# Altium PCB Main_PCB.PcbDoc (part 2 of 13) (continued)
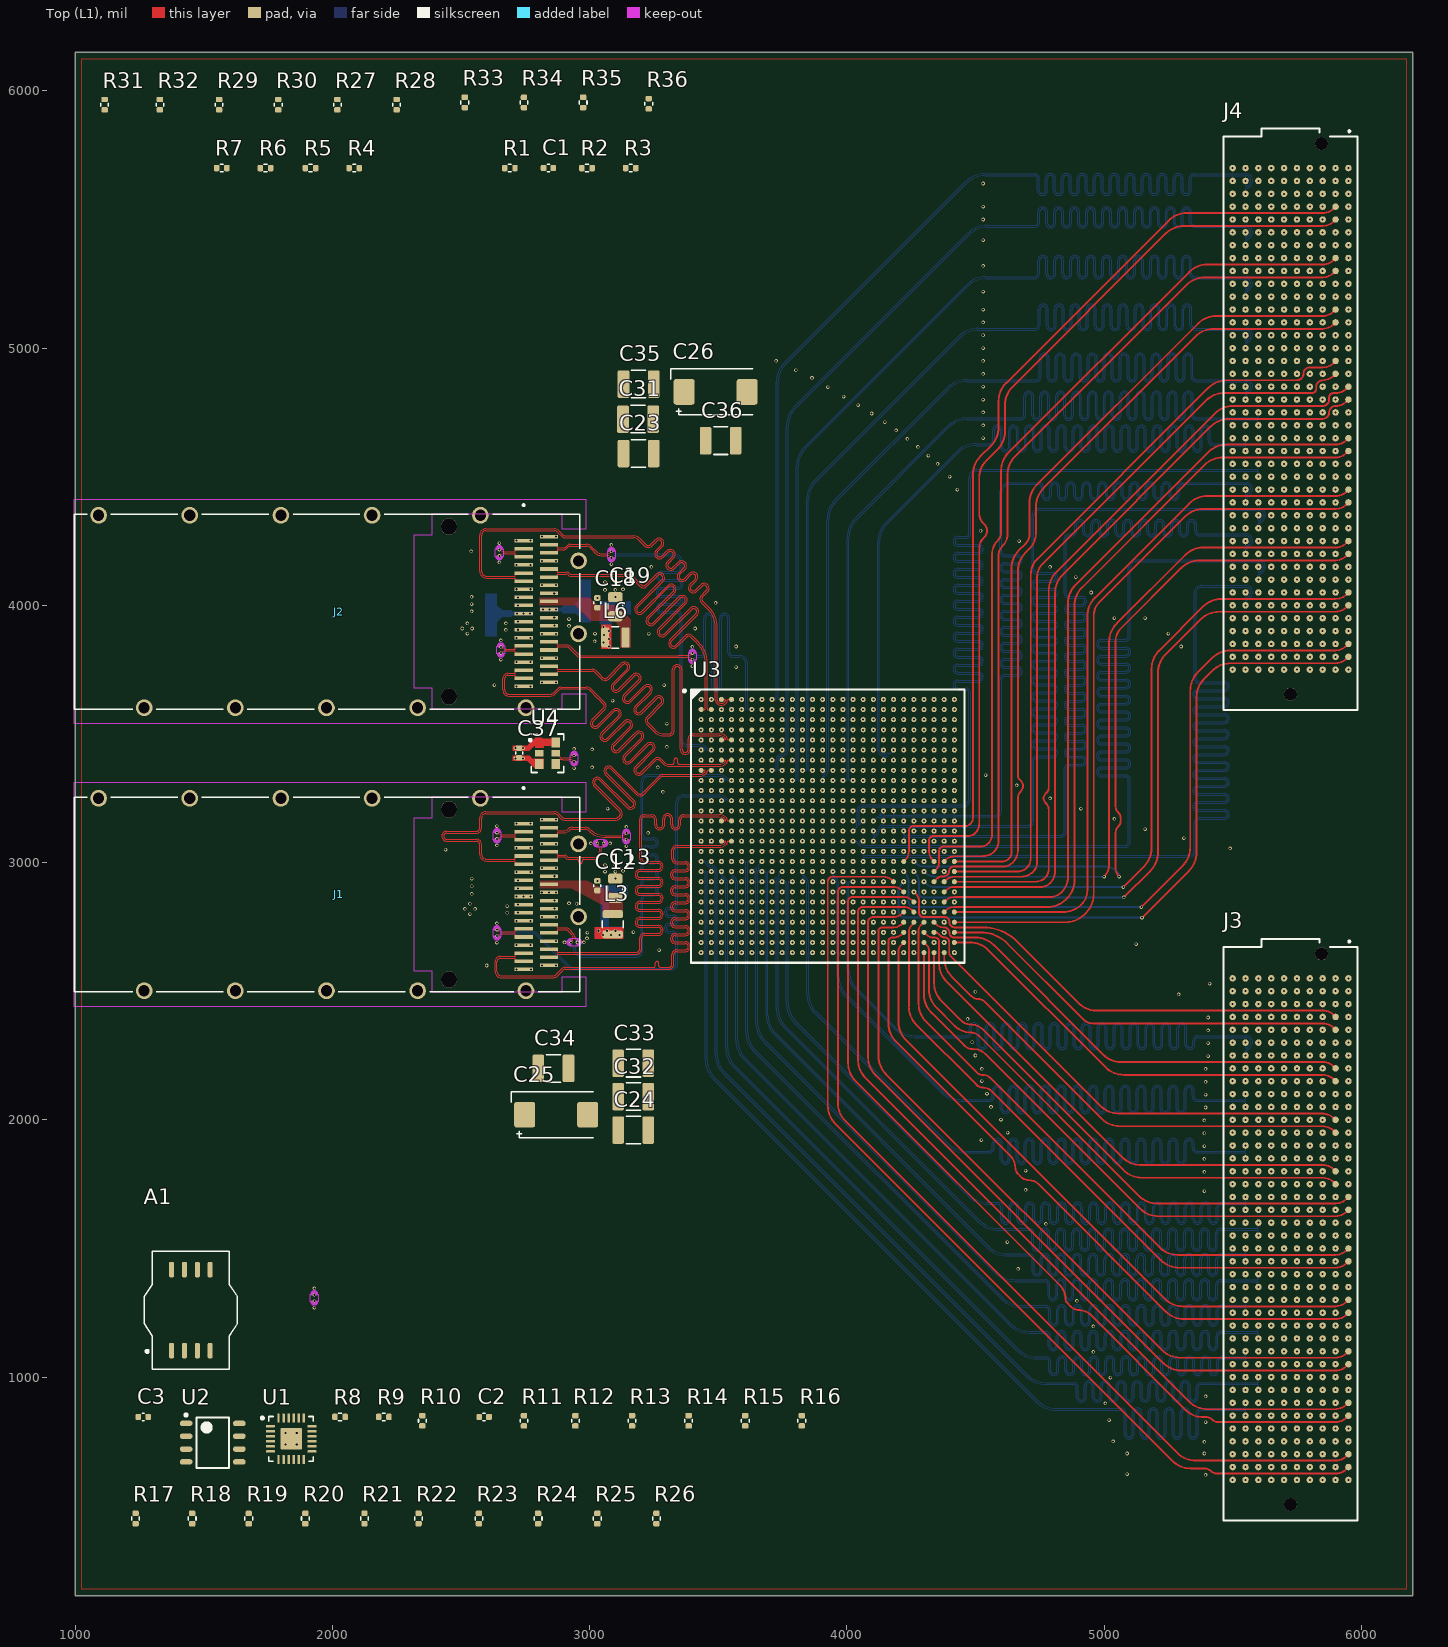
[diagram p0: Top (L1) view]
## Nets (pads, with @x,y where several pads share a name; then routed paths per layer and width w, separated by ;. In a path a pad name is that pad's centre, name@x,y a point inside that pad or via, vN(x,y) a via of type N, cw(c..) or ccw(c..) an arc to the next point about the centre after c; other vN are vias at no path point) (continued)
  other v2: 1818.35,738.35 1861.65,738.35 1818.35,781.65 1861.65,781.65
GTX_REFCLK_N: U3.H5 U4.5 | length 798.8
  Top (L1) w3.5: U4.5@2867.99,3425 cw(c2867.99,3417.67) U4.5@2873.17,3422.86 ; U4.5@2873.18,3422.85 2879.4,3416.63 2882.97,3414.94 2884.26,3410.61 ccw(c2887.61,3411.61) 2887.61,3408.11 2904.31,3408.11 2904.47,3408.28 2918.94,3408.28 ccw(c2918.94,3438.06) v1(2940,3417)
  Int9 (L10) w3.5: v1(2940,3417) ccw(c2959.56,3436.56) 2959.56,3408.9 3262.91,3408.9 cw(c3262.91,3352.91) 3302.5,3392.5 3350,3345 ccw(c3355.72,3350.72) 3355.72,3342.63 3581.97,3342.63 ccw(c3581.97,3376.96) 3606.25,3352.69 ccw(c3603.77,3355.16) 3607.27,3355.16 ccw(c3603.77,3355.16) 3606.25,3357.64 ccw(c3603.77,3355.16) 3603.77,3358.66 v1(3591.34,3358.66)
GTX_REFCLK_P: U3.H6 U4.4 | length 809.7
  Top (L1) w3.5: U4.4@2867.99,3383.66 cw(c2872.61,3383.66) U4.4@2869.34,3386.92 ; U4.4@2869.34,3386.93 2874.33,3391.91 cw(c2895.2,3371.03) 2895.2,3400.56 2907.43,3400.56 2907.6,3400.72 2918.94,3400.72 cw(c2918.94,3370.94) v1(2940,3392)
  Int9 (L10) w3.5: v1(2940,3392) cw(c2959.56,3372.44) 2959.56,3400.1 3262.91,3400.1 cw(c3262.91,3352.91) 3296.28,3386.28 3343.78,3338.78 ccw(c3355.72,3350.72) 3355.72,3333.83 3413.67,3333.83 ccw(c3413.67,3338.27) 3416.8,3335.13 3582,3335.13 ccw(c3582,3376.89) 3611.53,3347.36 3611.58,3347.41 ccw(c3603.87,3355.12) 3614.77,3355.12 ; 3614.77,3355.16 cw(c3618.27,3355.16) 3615.8,3357.64 cw(c3618.27,3355.16) 3618.27,3358.66 v1(3630.71,3358.66)
HPCC_A_01_N: J3.B21 U3.AE11 | length 3698.9
  Int2 (L3) w3.5: v1(3827.56,2689.37) 3827.56,2701.81 cw(c3831.06,2701.81) 3828.58,2704.28 cw(c3831.06,2701.81) 3831.06,2705.31 cw(c3831.06,2701.81) 3833.53,2704.28 cw(c3808.27,2679.01) 3844,2679.01 3844,2653.7 cw(c3840.5,2653.7) 3843.97,2653.22 ccw(c3866.93,2650) 3843.75,2649.38 3844,2640 3844,2636.26 3844,2488.62 ccw(c3952.8,2488.62) 3875.86,2411.69 4685.09,1602.47 ccw(c4762.02,1679.4) 4762.02,1570.6 4824,1570.6 4862.45,1570.6 cw(c4862.45,1558.85) 4874.2,1558.85 4874.2,1515.7 ccw(c4894.75,1515.7) 4915.3,1515.7 4915.3,1558.99 cw(c4927.05,1558.99) 4938.8,1558.99 4938.8,1515.7 ccw(c4959.35,1515.7) 4979.9,1515.7 4979.9,1558.99 cw(c4991.65,1558.99) 5003.4,1558.99 5003.4,1515.7 ccw(c5023.95,1515.7) 5044.5,1515.7 5044.5,1558.99 cw(c5056.25,1558.99) 5068,1558.99 5068,1515.7 ccw(c5088.55,1515.7) 5109.1,1515.7 5109.1,1558.99 cw(c5120.85,1558.99) 5132.6,1558.99 5132.6,1515.7 ccw(c5153.15,1515.7) 5173.7,1515.7 5173.7,1558.99 cw(c5185.45,1558.99) 5197.2,1558.99 5197.2,1515.7 ccw(c5217.75,1515.7) 5238.3,1515.7 5238.3,1558.99 cw(c5250.05,1558.99) 5261.8,1558.99 5261.8,1515.7 ccw(c5282.35,1515.7) 5302.9,1515.7 5302.9,1558.99 cw(c5314.65,1558.99) 5326.4,1558.99 5326.4,1515.7 ccw(c5346.95,1515.7) 5367.5,1515.7 5367.5,1558.85 cw(c5379.25,1558.85) 5379.25,1570.6 5425,1570.6 5896.5,1570.6 cw(c5896.5,1567.1) 5898.97,1569.57 cw(c5896.5,1567.1) 5900,1567.1 v1(5900,1550)
HPCC_A_01_P: J3.B20 U3.AD11 | length 3697.2
  Int2 (L3) w3.5: v1(3827.56,2728.74) 3827.56,2716.31 ccw(c3831.06,2716.31) 3828.58,2713.83 ccw(c3831.06,2716.31) 3831.06,2712.81 3831.11,2712.81 cw(c3831.11,2701.93) 3838.8,2709.62 3838.92,2709.5 cw(c3808.53,2679.12) 3851.5,2679.12 3851.5,2679.01 3851.5,2653.7 cw(c3840.5,2653.7) 3851.39,2652.18 ccw(c3866.93,2650) 3851.25,2649.58 3851.5,2640.23 ; 3851.5,2640.2 3851.5,2640.06 cw(c3848,2640) 3851.5,2640 3851.5,2636.26 cw(c3844,2636.26) 3851.5,2636.09 3851.5,2625 cw(c3848.36,2621.86) 3852.8,2621.86 3852.8,2488.62 ccw(c3952.8,2488.62) 3882.09,2417.91 4691.31,1608.69 ccw(c4762.02,1679.4) 4762.02,1579.4 4824,1579.4 4862.45,1579.4 cw(c4862.45,1558.85) 4883,1558.85 4883,1515.7 ccw(c4894.75,1515.7) 4906.5,1515.7 4906.5,1558.99 cw(c4927.05,1558.99) 4947.6,1558.99 4947.6,1515.7 ccw(c4959.35,1515.7) 4971.1,1515.7 4971.1,1558.99 cw(c4991.65,1558.99) 5012.2,1558.99 5012.2,1515.7 ccw(c5023.95,1515.7) 5035.7,1515.7 5035.7,1558.99 cw(c5056.25,1558.99) 5076.8,1558.99 5076.8,1515.7 ccw(c5088.55,1515.7) 5100.3,1515.7 5100.3,1558.99 cw(c5120.85,1558.99) 5141.4,1558.99 5141.4,1515.7 ccw(c5153.15,1515.7) 5164.9,1515.7 5164.9,1558.99 cw(c5185.45,1558.99) 5206,1558.99 5206,1515.7 ccw(c5217.75,1515.7) 5229.5,1515.7 5229.5,1558.99 cw(c5250.05,1558.99) 5270.6,1558.99 5270.6,1515.7 ccw(c5282.35,1515.7) 5294.1,1515.7 5294.1,1558.99 cw(c5314.65,1558.99) 5335.2,1558.99 5335.2,1515.7 ccw(c5346.95,1515.7) 5358.7,1515.7 5358.7,1558.85 cw(c5379.25,1558.85) 5379.25,1579.4 5425,1579.4 5896.5,1579.4 ccw(c5896.5,1582.9) 5898.97,1580.43 ccw(c5896.5,1582.9) 5900,1582.9 v1(5900,1600)
HPCC_A_02_N: J3.B25 U3.AF9 | length 3696.1
  Int2 (L3) w3.5: v1(3748.82,2650) 3761.25,2650 cw(c3761.25,2646.5) 3763.73,2648.97 cw(c3761.25,2646.5) 3764.75,2646.5 3764.75,2452.87 ccw(c3873.55,2452.87) 3796.62,2375.93 4770.09,1402.47 ccw(c4847.02,1479.4) 4847.02,1370.6 4889,1370.6 4927.45,1370.6 cw(c4927.45,1358.85) 4939.2,1358.85 4939.2,1316.4 ccw(c4959.75,1316.4) 4980.3,1316.4 4980.3,1359.89 cw(c4992.05,1359.89) 5003.8,1359.89 5003.8,1316.4 ccw(c5024.35,1316.4) 5044.9,1316.4 5044.9,1359.89 cw(c5056.65,1359.89) 5068.4,1359.89 5068.4,1316.4 ccw(c5088.95,1316.4) 5109.5,1316.4 5109.5,1359.89 cw(c5121.25,1359.89) 5133,1359.89 5133,1316.4 ccw(c5153.55,1316.4) 5174.1,1316.4 5174.1,1359.89 cw(c5185.85,1359.89) 5197.6,1359.89 5197.6,1316.4 ccw(c5218.15,1316.4) 5238.7,1316.4 5238.7,1359.89 cw(c5250.45,1359.89) 5262.2,1359.89 5262.2,1316.4 ccw(c5282.75,1316.4) 5303.3,1316.4 5303.3,1359.89 cw(c5315.05,1359.89) 5326.8,1359.89 5326.8,1316.4 ccw(c5347.35,1316.4) 5367.9,1316.4 5367.9,1358.85 cw(c5379.65,1358.85) 5379.65,1370.6 5409,1370.6 5896.5,1370.6 cw(c5896.5,1367.1) 5898.97,1369.57 cw(c5896.5,1367.1) 5900,1367.1 v1(5900,1350)
HPCC_A_02_P: J3.B24 U3.AF10 | length 3682.7
  Int2 (L3) w3.5: v1(3788.19,2650) 3775.75,2650 ccw(c3775.75,2646.5) 3773.28,2648.97 ccw(c3775.75,2646.5) 3772.25,2646.5 3772.25,2625 cw(c3769.12,2621.86) 3773.55,2621.86 3773.55,2452.87 ccw(c3873.55,2452.87) 3802.84,2382.16 4776.31,1408.69 ccw(c4847.02,1479.4) 4847.02,1379.4 4889,1379.4 4927.45,1379.4 cw(c4927.45,1358.85) 4948,1358.85 4948,1316.4 ccw(c4959.75,1316.4) 4971.5,1316.4 4971.5,1359.89 cw(c4992.05,1359.89) 5012.6,1359.89 5012.6,1316.4 ccw(c5024.35,1316.4) 5036.1,1316.4 5036.1,1359.89 cw(c5056.65,1359.89) 5077.2,1359.89 5077.2,1316.4 ccw(c5088.95,1316.4) 5100.7,1316.4 5100.7,1359.89 cw(c5121.25,1359.89) 5141.8,1359.89 5141.8,1316.4 ccw(c5153.55,1316.4) 5165.3,1316.4 5165.3,1359.89 cw(c5185.85,1359.89) 5206.4,1359.89 5206.4,1316.4 ccw(c5218.15,1316.4) 5229.9,1316.4 5229.9,1359.89 cw(c5250.45,1359.89) 5271,1359.89 5271,1316.4 ccw(c5282.75,1316.4) 5294.5,1316.4 5294.5,1359.89 cw(c5315.05,1359.89) 5335.6,1359.89 5335.6,1316.4 ccw(c5347.35,1316.4) 5359.1,1316.4 5359.1,1358.85 cw(c5379.65,1358.85) 5379.65,1379.4 5409,1379.4 5896.5,1379.4 ccw(c5896.5,1382.9) 5898.97,1380.43 ccw(c5896.5,1382.9) 5900,1382.9 v1(5900,1400)
HPCC_A_03_N: J3.B29 U3.AF7 | length 3693.2
  Int2 (L3) w3.5: v1(3670.08,2650) 3670.08,2662.43 cw(c3673.58,2662.43) 3671.1,2664.91 cw(c3673.58,2662.44) 3673.58,2665.93 cw(c3673.58,2662.44) 3676.05,2664.91 cw(c3652.04,2640.9) 3686,2640.9 3686,2597.55 ; 3686,2596.35 3686,2406.62 ccw(c3794.8,2406.62) 3717.87,2329.69 4845.09,1202.47 ccw(c4922.02,1279.4) 4922.02,1170.6 4953.16,1170.6 4991.61,1170.6 cw(c4991.61,1158.85) 5003.36,1158.85 5003.36,1126.14 ccw(c5023.91,1126.14) 5044.46,1126.14 5044.46,1162.55 cw(c5056.21,1162.55) 5067.96,1162.55 5067.96,1126.14 ccw(c5088.51,1126.14) 5109.06,1126.14 5109.06,1162.55 cw(c5120.81,1162.55) 5132.56,1162.55 5132.56,1126.14 ccw(c5153.11,1126.14) 5173.66,1126.14 5173.66,1162.55 cw(c5185.41,1162.55) 5197.16,1162.55 5197.16,1126.14 ccw(c5217.71,1126.14) 5238.26,1126.14 5238.26,1162.55 cw(c5250.01,1162.55) 5261.76,1162.55 5261.76,1126.14 ccw(c5282.31,1126.14) 5302.86,1126.14 5302.86,1162.55 cw(c5314.61,1162.55) 5326.36,1162.55 5326.36,1126.14 ccw(c5346.91,1126.14) 5367.46,1126.14 5367.46,1158.85 cw(c5379.21,1158.85) 5379.21,1170.6 5420.34,1170.6 5896.5,1170.6 cw(c5896.5,1167.1) 5898.97,1169.57 cw(c5896.5,1167.1) 5900,1167.1 v1(5900,1150)
HPCC_A_03_P: J3.B28 U3.AE7 | length 3692.8
  Int2 (L3) w3.5: v1(3670.08,2689.37) 3670.08,2676.93 ccw(c3673.58,2676.93) 3671.1,2674.46 ccw(c3673.58,2676.94) 3673.58,2673.43 3673.63,2673.43 cw(c3673.63,2662.56) 3681.32,2670.25 3681.38,2670.19 cw(c3652.13,2640.94) 3693.5,2640.94 3693.5,2625 cw(c3690.36,2621.86) 3694.8,2621.86 3694.8,2406.62 ccw(c3794.8,2406.62) 3724.09,2335.91 4851.31,1208.69 ccw(c4922.02,1279.4) 4922.02,1179.4 4953.16,1179.4 4991.61,1179.4 cw(c4991.61,1158.85) 5012.16,1158.85 5012.16,1126.14 ccw(c5023.91,1126.14) 5035.66,1126.14 5035.66,1162.55 cw(c5056.21,1162.55) 5076.76,1162.55 5076.76,1126.14 ccw(c5088.51,1126.14) 5100.26,1126.14 5100.26,1162.55 cw(c5120.81,1162.55) 5141.36,1162.55 5141.36,1126.14 ccw(c5153.11,1126.14) 5164.86,1126.14 5164.86,1162.55 cw(c5185.41,1162.55) 5205.96,1162.55 5205.96,1126.14 ccw(c5217.71,1126.14) 5229.46,1126.14 5229.46,1162.55 cw(c5250.01,1162.55) 5270.56,1162.55 5270.56,1126.14 ccw(c5282.31,1126.14) 5294.06,1126.14 5294.06,1162.55 cw(c5314.61,1162.55) 5335.16,1162.55 5335.16,1126.14 ccw(c5346.91,1126.14) 5358.66,1126.14 5358.66,1158.85 cw(c5379.21,1158.85) 5379.21,1179.4 5420.34,1179.4 5896.5,1179.4 ccw(c5896.5,1182.9) 5898.97,1180.43 ccw(c5896.5,1182.9) 5900,1182.9 v1(5900,1200)
HPCC_A_04_N: J3.B33 U3.AE5 | length 3702.8
  Int2 (L3) w3.5: v1(3591.34,2689.37) 3603.77,2689.37 cw(c3603.77,2685.87) 3606.25,2688.35 cw(c3603.77,2685.87) 3607.27,2685.87 3607.27,2605.06 ; 3607.32,2605.06 3607.27,2605.01 3607.27,2340.35 ccw(c3716.07,2340.35) 3639.14,2263.41 4900.09,1002.47 ccw(c4977.02,1079.4) 4977.02,970.6 5035.57,970.6 5120.45,970.6 cw(c5120.45,958.85) 5132.2,958.85 5132.2,924.2 ccw(c5152.75,924.2) 5173.3,924.2 5173.3,961.93 cw(c5185.05,961.93) 5196.8,961.93 5196.8,924.2 ccw(c5217.35,924.2) 5237.9,924.2 5237.9,961.93 cw(c5249.65,961.93) 5261.4,961.93 5261.4,924.2 ccw(c5281.95,924.2) 5302.5,924.2 5302.5,961.93 cw(c5314.25,961.93) 5326,961.93 5326,924.2 ccw(c5346.55,924.2) 5367.1,924.2 5367.1,958.85 cw(c5378.85,958.85) 5378.85,970.6 5385,970.6 5896.5,970.6 cw(c5896.5,967.1) 5898.97,969.57 cw(c5896.5,967.1) 5900,967.1 v1(5900,950)
HPCC_A_04_P: J3.B32 U3.AE6 | length 3689.3
  Int2 (L3) w3.5: v1(3630.71,2689.37) 3618.27,2689.37 ccw(c3618.27,2685.87) 3615.8,2688.35 ccw(c3618.27,2685.87) 3614.77,2685.87 3614.77,2625 cw(c3611.64,2621.86) 3616.07,2621.86 3616.07,2340.35 ccw(c3716.07,2340.35) 3645.36,2269.64 4906.31,1008.69 ccw(c4977.02,1079.4) 4977.02,979.4 5035.57,979.4 5120.45,979.4 cw(c5120.45,958.85) 5141,958.85 5141,924.2 ccw(c5152.75,924.2) 5164.5,924.2 5164.5,961.93 cw(c5185.05,961.93) 5205.6,961.93 5205.6,924.2 ccw(c5217.35,924.2) 5229.1,924.2 5229.1,961.93 cw(c5249.65,961.93) 5270.2,961.93 5270.2,924.2 ccw(c5281.95,924.2) 5293.7,924.2 5293.7,961.93 cw(c5314.25,961.93) 5334.8,961.93 5334.8,924.2 ccw(c5346.55,924.2) 5358.3,924.2 5358.3,958.85 cw(c5378.85,958.85) 5378.85,979.4 5385,979.4 5896.5,979.4 ccw(c5896.5,982.9) 5898.97,980.43 ccw(c5896.5,982.9) 5900,982.9 v1(5900,1000)
HPCC_A_05_N: J3.B37 U3.AE2 | length 3700.5
  Int2 (L3) w3.5: v1(3473.23,2689.37) 3485.66,2689.37 cw(c3485.66,2685.87) 3488.14,2688.35 cw(c3485.66,2685.87) 3489.16,2685.87 ccw(c3500.08,2685.84) 3492.36,2678.12 3495.79,2674.69 ccw(c3507.76,2686.66) 3507.76,2669.73 3509.49,2669.73 cw(c3509.49,2656.99) 3518.5,2666 ccw(c3526.26,2673.79) 3518.72,2665.79 3523.44,2661.34 cw(c3512.6,2650) 3528.27,2649.23 ccw(c3532.01,2649.06) 3528.26,2649.14 3528.26,2649.08 3528.26,2279.36 ccw(c3637.06,2279.36) 3560.13,2202.43 4960.09,802.47 ccw(c5037.02,879.4) 5037.02,770.6 5052,770.6 5117.45,770.6 cw(c5117.45,758.85) 5129.2,758.85 5129.2,753.05 ccw(c5149.75,753.05) 5170.3,753.05 5170.3,763.39 cw(c5182.05,763.39) 5193.8,763.39 5193.8,753.05 ccw(c5214.35,753.05) 5234.9,753.05 5234.9,763.39 cw(c5246.65,763.39) 5258.4,763.39 5258.4,753.05 ccw(c5278.95,753.05) 5299.5,753.05 5299.5,763.39 cw(c5311.25,763.39) 5323,763.39 5323,753.05 ccw(c5343.55,753.05) 5364.1,753.05 5364.1,758.85 cw(c5375.85,758.85) 5375.85,770.6 5382,770.6 5896.5,770.6 cw(c5896.5,767.1) 5898.97,769.57 cw(c5896.5,767.1) 5900,767.1 v1(5900,750)
HPCC_A_05_P: J3.B36 U3.AE3 | length 3686.8
  Int2 (L3) w3.5: v1(3512.6,2689.37) 3500.16,2689.37 ccw(c3500.16,2685.87) 3497.69,2688.35 ccw(c3500.16,2685.87) 3496.66,2685.87 ccw(c3500.16,2685.87) 3497.68,2683.4 3498.9,2682.19 ccw(c3510.86,2694.16) 3510.86,2677.23 cw(c3510.86,2660.3) 3522.83,2672.27 3523.8,2671.3 ccw(c3526.26,2673.79) 3523.86,2671.25 3528.6,2666.78 ; 3528.61,2666.77 cw(c3512.6,2650) 3535.76,2648.94 3535.76,2645.97 3535.76,2625 cw(c3532.62,2621.86) 3537.06,2621.86 3537.06,2279.36 ccw(c3637.06,2279.36) 3566.35,2208.65 4966.31,808.69 ccw(c5037.02,879.4) 5037.02,779.4 5052,779.4 5117.45,779.4 cw(c5117.45,758.85) 5138,758.85 5138,753.05 ccw(c5149.75,753.05) 5161.5,753.05 5161.5,763.39 cw(c5182.05,763.39) 5202.6,763.39 5202.6,753.05 ccw(c5214.35,753.05) 5226.1,753.05 5226.1,763.39 cw(c5246.65,763.39) 5267.2,763.39 5267.2,753.05 ccw(c5278.95,753.05) 5290.7,753.05 5290.7,763.39 cw(c5311.25,763.39) 5331.8,763.39 5331.8,753.05 ccw(c5343.55,753.05) 5355.3,753.05 5355.3,758.85 cw(c5375.85,758.85) 5375.85,779.4 5382,779.4 5896.5,779.4 ccw(c5896.5,782.9) 5898.97,780.43 ccw(c5896.5,782.9) 5900,782.9 v1(5900,800)
HPCC_A_06_N: J3.C3 U3.AE20 | length 3694.8
  Int2 (L3) w3.5: v1(4181.89,2689.37) 4181.89,2701.81 cw(c4185.39,2701.81) 4187.88,2704.27 cw(c4158.57,2674.98) 4188.74,2703.38 cw(c4163.67,2679.92) 4198,2679.92 4198,2645.82 ccw(c4220.77,2645.82) 4204.67,2629.72 4204.72,2629.67 ccw(c4222.03,2646.98) 4222.03,2622.5 4457,2622.5 4495.45,2622.5 cw(c4495.45,2610.75) 4507.2,2610.75 4507.2,2556.15 ccw(c4527.75,2556.15) 4548.3,2556.15 4548.3,2614.7 cw(c4560.05,2614.7) 4571.8,2614.7 4571.8,2556.15 ccw(c4592.35,2556.15) 4612.9,2556.15 4612.9,2614.7 cw(c4624.65,2614.7) 4636.4,2614.7 4636.4,2556.15 ccw(c4656.95,2556.15) 4677.5,2556.15 4677.5,2614.7 cw(c4689.25,2614.7) 4701,2614.7 4701,2556.15 ccw(c4721.55,2556.15) 4742.1,2556.15 4742.1,2614.7 cw(c4753.85,2614.7) 4765.6,2614.7 4765.6,2556.15 ccw(c4786.15,2556.15) 4806.7,2556.15 4806.7,2614.7 cw(c4818.45,2614.7) 4830.2,2614.7 4830.2,2556.15 ccw(c4850.75,2556.15) 4871.3,2556.15 4871.3,2614.7 cw(c4883.05,2614.7) 4894.8,2614.7 4894.8,2556.15 ccw(c4915.35,2556.15) 4935.9,2556.15 4935.9,2614.7 cw(c4947.65,2614.7) 4959.4,2614.7 4959.4,2556.15 ccw(c4979.95,2556.15) 5000.5,2556.15 5000.5,2614.7 cw(c5012.25,2614.7) 5024,2614.7 5024,2556.15 ccw(c5044.55,2556.15) 5065.1,2556.15 5065.1,2614.7 cw(c5076.85,2614.7) 5088.6,2614.7 5088.6,2556.15 ccw(c5109.15,2556.15) 5129.7,2556.15 5129.7,2614.7 cw(c5141.45,2614.7) 5153.2,2614.7 5153.2,2556.15 ccw(c5173.75,2556.15) 5194.3,2556.15 5194.3,2614.7 cw(c5206.05,2614.7) 5217.8,2614.7 5217.8,2556.15 ccw(c5238.35,2556.15) 5258.9,2556.15 5258.9,2610.75 cw(c5270.65,2610.75) 5270.65,2622.5 5311,2622.5 5321.08,2622.5 cw(c5321.08,2522.5) 5391.79,2593.21 5430,2555 cw(c5415.03,2540.03) 5436.2,2540.03 5436.2,2502.07 ccw(c5462.07,2502.07) 5443.77,2483.78 ; 5443.78,2483.78 5447.73,2479.82 ccw(c5470,2502.09) 5470,2470.6 5846.5,2470.6 cw(c5846.5,2467.1) 5848.97,2469.57 cw(c5846.5,2467.1) 5850,2467.1 v1(5850,2450)
HPCC_A_06_P: J3.C2 U3.AD20 | length 3695.2
  Int2 (L3) w3.5: v1(4181.89,2728.74) 4181.89,2716.31 ccw(c4185.39,2716.31) 4182.91,2713.83 ccw(c4185.39,2716.31) 4185.39,2712.81 4185.44,2712.81 cw(c4185.44,2701.93) 4193.13,2709.62 4193.25,2709.5 cw(c4163.67,2679.92) 4205.48,2681.14 cw(c4201.98,2681.06) 4205.48,2681.07 4205.5,2645.86 ccw(c4220.86,2645.86) 4210,2635 ccw(c4222.07,2647.07) 4222.07,2630 4225,2630 cw(c4228.14,2626.86) 4228.14,2631.3 4457,2631.3 4495.45,2631.3 cw(c4495.45,2610.75) 4516,2610.75 4516,2556.15 ccw(c4527.75,2556.15) 4539.5,2556.15 4539.5,2614.7 cw(c4560.05,2614.7) 4580.6,2614.7 4580.6,2556.15 ccw(c4592.35,2556.15) 4604.1,2556.15 4604.1,2614.7 cw(c4624.65,2614.7) 4645.2,2614.7 4645.2,2556.15 ccw(c4656.95,2556.15) 4668.7,2556.15 4668.7,2614.7 cw(c4689.25,2614.7) 4709.8,2614.7 4709.8,2556.15 ccw(c4721.55,2556.15) 4733.3,2556.15 4733.3,2614.7 cw(c4753.85,2614.7) 4774.4,2614.7 4774.4,2556.15 ccw(c4786.15,2556.15) 4797.9,2556.15 4797.9,2614.7 cw(c4818.45,2614.7) 4839,2614.7 4839,2556.15 ccw(c4850.75,2556.15) 4862.5,2556.15 4862.5,2614.7 cw(c4883.05,2614.7) 4903.6,2614.7 4903.6,2556.15 ccw(c4915.35,2556.15) 4927.1,2556.15 4927.1,2614.7 cw(c4947.65,2614.7) 4968.2,2614.7 4968.2,2556.15 ccw(c4979.95,2556.15) 4991.7,2556.15 4991.7,2614.7 cw(c5012.25,2614.7) 5032.8,2614.7 5032.8,2556.15 ccw(c5044.55,2556.15) 5056.3,2556.15 5056.3,2614.7 cw(c5076.85,2614.7) 5097.4,2614.7 5097.4,2556.15 ccw(c5109.15,2556.15) 5120.9,2556.15 5120.9,2614.7 cw(c5141.45,2614.7) 5162,2614.7 5162,2556.15 ccw(c5173.75,2556.15) 5185.5,2556.15 5185.5,2614.7 cw(c5206.05,2614.7) 5226.6,2614.7 5226.6,2556.15 ccw(c5238.35,2556.15) 5250.1,2556.15 5250.1,2610.75 cw(c5270.65,2610.75) 5270.65,2631.3 5311,2631.3 5321.08,2631.3 cw(c5321.08,2522.5) 5398.01,2599.43 5436.22,2561.22 cw(c5415.03,2540.03) 5445,2540.03 5445,2502.07 ccw(c5462.07,2502.07) 5450,2490 5453.95,2486.05 ccw(c5470,2502.09) 5470,2479.4 5846.5,2479.4 ccw(c5846.5,2482.9) 5848.97,2480.43 ccw(c5846.5,2482.9) 5850,2482.9 v1(5850,2500)
HPCC_A_07_N: J3.C7 U3.AF18 | length 3684.1
  Int2 (L3) w3.5: v1(4103.15,2650) 4103.15,2662.43 cw(c4106.65,2662.43) 4104.17,2664.91 cw(c4106.65,2662.44) 4106.65,2665.93 cw(c4106.65,2662.44) 4109.12,2664.91 cw(c4082.87,2638.65) 4120,2639 cw(c4082.87,2638.65) 4120,2638.65 4120,2628.05 ccw(c4152.97,2628.05) 4129.66,2604.74 4431.93,2302.47 ccw(c4508.86,2379.4) 4508.86,2270.6 4510.09,2270.6 4516.24,2270.6 ccw(c4516.24,2291.15) 4536.79,2291.15 4536.79,2296.16 cw(c4548.54,2296.16) 4560.29,2296.16 4560.29,2247.71 ccw(c4580.84,2247.71) 4601.39,2247.71 4601.39,2296.16 cw(c4613.14,2296.16) 4624.89,2296.16 4624.89,2247.71 ccw(c4645.44,2247.71) 4665.99,2247.71 4665.99,2296.16 cw(c4677.74,2296.16) 4689.49,2296.16 4689.49,2247.71 ccw(c4710.04,2247.71) 4730.59,2247.71 4730.59,2296.16 cw(c4742.34,2296.16) 4754.09,2296.16 4754.09,2247.71 ccw(c4774.64,2247.71) 4795.19,2247.71 4795.19,2296.16 cw(c4806.94,2296.16) 4818.69,2296.16 4818.69,2247.71 ccw(c4839.24,2247.71) 4859.79,2247.71 4859.79,2296.16 cw(c4871.54,2296.16) 4883.29,2296.16 4883.29,2247.71 ccw(c4903.84,2247.71) 4924.39,2247.71 4924.39,2296.16 cw(c4936.14,2296.16) 4947.89,2296.16 4947.89,2247.71 ccw(c4968.44,2247.71) 4988.99,2247.71 4988.99,2296.16 cw(c5000.74,2296.16) 5012.49,2296.16 5012.49,2247.71 ccw(c5033.04,2247.71) 5053.59,2247.71 5053.59,2296.16 cw(c5065.34,2296.16) 5077.09,2296.16 5077.09,2247.71 ccw(c5097.64,2247.71) 5118.19,2247.71 5118.19,2296.16 cw(c5129.94,2296.16) 5141.69,2296.16 5141.69,2247.71 ccw(c5162.24,2247.71) 5182.79,2247.71 5182.79,2296.16 cw(c5194.54,2296.16) 5206.29,2296.16 5206.29,2247.71 ccw(c5226.84,2247.71) 5247.39,2247.71 5247.39,2296.16 cw(c5259.14,2296.16) 5270.89,2296.16 5270.89,2247.71 ccw(c5291.44,2247.71) 5311.99,2247.71 5311.99,2296.16 cw(c5323.74,2296.16) 5335.49,2296.16 5335.49,2247.71 ccw(c5356.04,2247.71) 5376.59,2247.71 5376.59,2258.85 cw(c5388.34,2258.85) 5388.34,2270.6 5419,2270.6 5466.35,2270.6 ; 5467.13,2270.6 5846.5,2270.6 cw(c5846.5,2267.1) 5848.97,2269.57 cw(c5846.5,2267.1) 5850,2267.1 v1(5850,2250)